# Allegro board SDHCalFEB20180110.brd (continued)
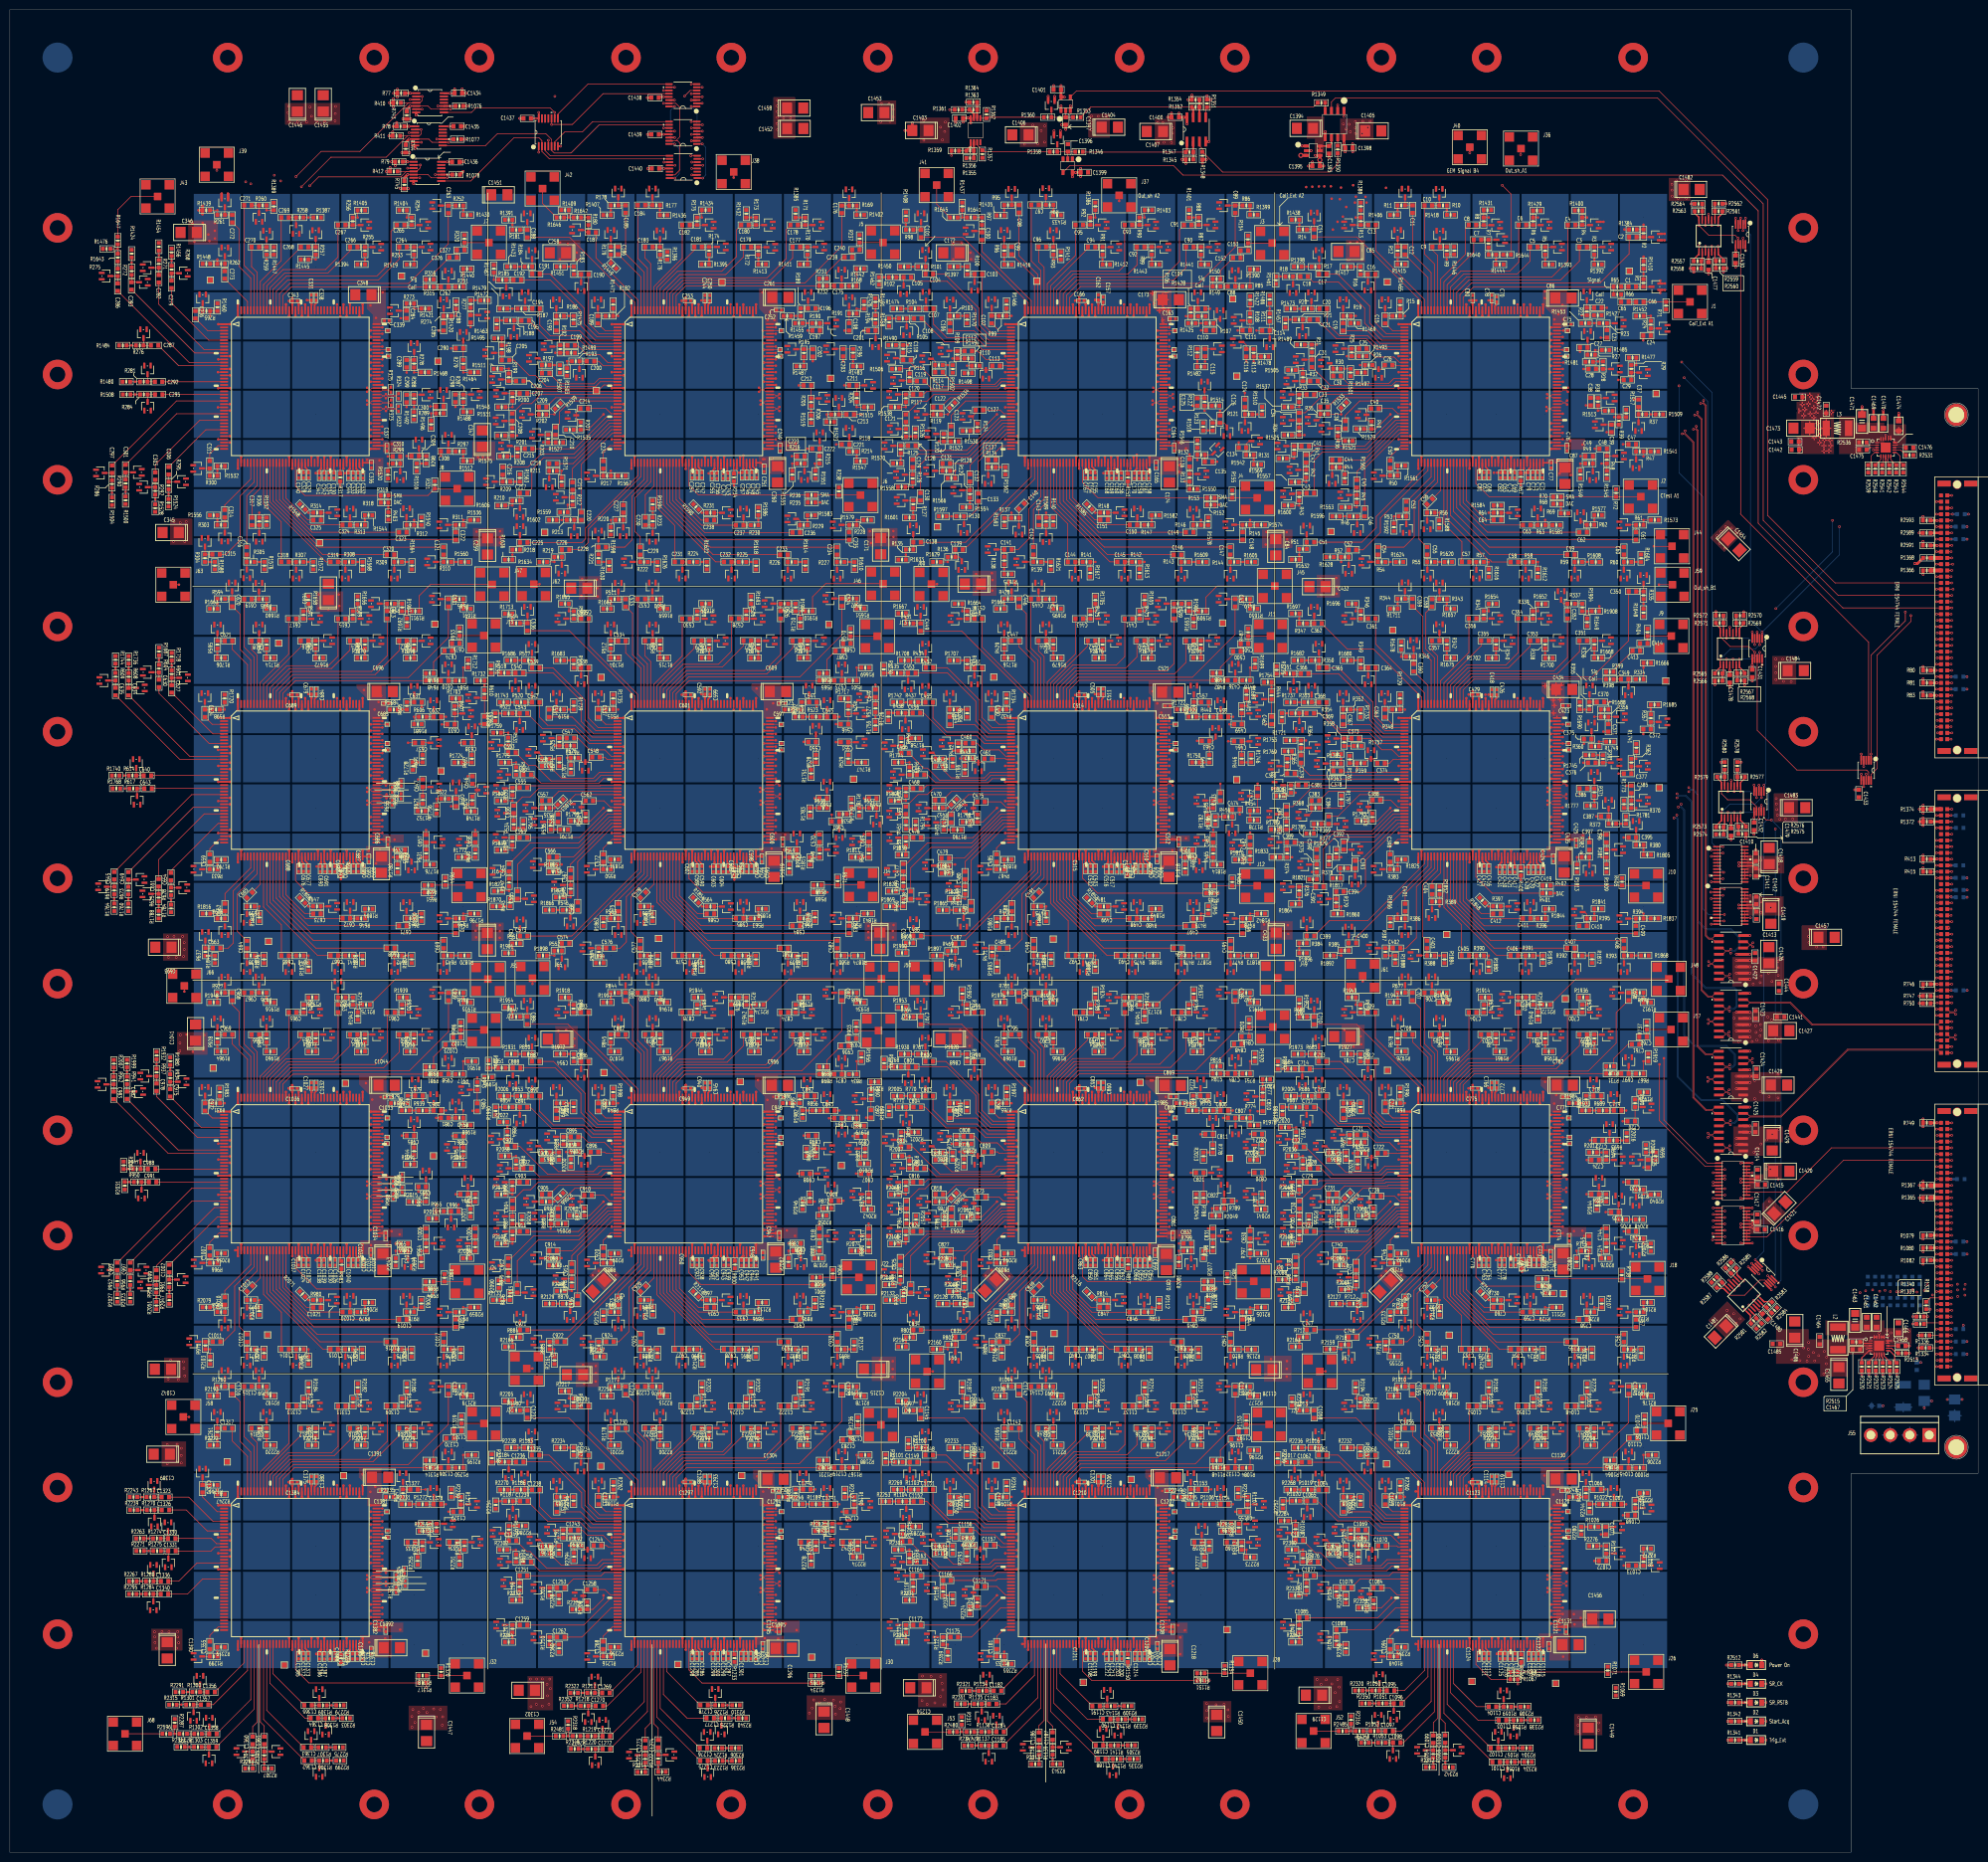
[diagram p0: board, top side]
## Routing (per net, layer and track width the routed paths; a pad name or vN(x,y) marks a point on that pad's centre or on a via; arc(x,y) is an arc through that point) (continued)
  GND1 w0.102: v1(152.66,56.27) 152.36,55.97 151.91,55.97 v2(151.54,56.34) ; v2(311.56,56.34) 311.93,55.97 312.38,55.97 v1(312.68,56.27) ; v1(232.67,56.27) 232.37,55.97 231.92,55.97 v2(231.55,56.34) ; v2(71.53,56.34) 71.9,55.97 72.35,55.97 v1(72.65,56.27)
  SIG2 w0.102: v4(349.61,165.86) 349.91,166.16 350.08,166.16 350.37,165.87 350.37,164.9 350.02,164.55 347.21,164.55 342.23,159.58 342.23,64.02 334.18,55.97 311.94,55.97 v2(311.56,56.34) 311.19,55.97 231.92,55.97 v2(231.55,56.34) 231.18,55.97 151.91,55.97 v2(151.54,56.34) 151.17,55.97 71.9,55.97 v2(71.53,56.34)
CK_5P: length 42.5
  TOP w0.102: J34.B5 392.17,168.04 366.47,168.04 362,172.52 353.75,172.52 353.21,171.98 U1055.6
CK_5P_A: length 408.4
  TOP w0.102: U65.97 313.64,295.57 313.43,295.79 312.9,295.79 v1(312.6,295.49) ; U195.97 155.52,295.57 155.74,295.79 156.18,295.79 v1(156.48,295.49) ; U1055.10 346.76,173.25 346.23,173.78 345.27,173.78 343.89,175.16 343.89,291.18 343.03,292.04 v4(342.61,292.04) ; U130.97 235.53,295.57 235.75,295.79 236.2,295.79 v1(236.49,295.49) ; R324.2 78.65,295.8 76.78,295.8 v1(76.47,295.49) 76.18,295.79 75.73,295.79 75.51,295.57 U260.97
  GND1 w0.102: v2(77.77,295.42) 77.4,295.79 76.77,295.79 v1(76.47,295.49) ; v2(157.91,295.42) 157.54,295.79 156.78,295.79 v1(156.48,295.49) ; v1(312.6,295.49) 312.9,295.79 313.66,295.79 v2(314.04,295.42) ; v2(237.87,295.42) 237.5,295.79 236.79,295.79 v1(236.49,295.49)
  SIG2 w0.102: v2(77.77,295.42) 78.14,295.79 157.54,295.79 v2(157.91,295.42) 158.29,295.79 237.5,295.79 v2(237.87,295.42) 238.24,295.79 242.85,295.79 243.45,295.19 312.15,295.19 312.76,295.8 313.65,295.8 v2(314.04,295.42) 314.41,295.79 339.29,295.79 342.61,292.46 v4(342.61,292.04)
CK_5P_B: length 343.6
  TOP w0.102: U1055.11 348.28,171.98 348.81,171.46 349.38,171.46 v4(349.68,171.76) ; U390.97 233.63,215.56 233.42,215.78 232.97,215.78 v1(232.67,215.48) ; U325.97 313.64,215.56 313.43,215.78 312.98,215.78 v1(312.68,215.48) ; R657.2 77.37,215.78 75.73,215.78 75.51,215.56 U520.97 73.61,215.56 73.4,215.78 72.95,215.78 v1(72.65,215.48) ; U455.97 153.62,215.56 153.41,215.78 152.88,215.78 v1(152.58,215.48)
  GND1 w0.102: v1(312.68,215.48) 312.38,215.78 311.62,215.78 v2(311.25,215.4) ; v2(151.37,215.4) 151.74,215.78 152.29,215.78 v1(152.58,215.48) ; v1(72.65,215.48) 72.35,215.78 71.83,215.78 v2(71.46,215.4) ; v1(232.67,215.48) 232.37,215.78 231.92,215.78 v2(231.55,215.4)
  SIG2 w0.102: v2(71.46,215.4) 71.83,215.78 151,215.78 v2(151.37,215.4) 151.74,215.78 231.18,215.78 v2(231.55,215.4) 231.92,215.78 310.88,215.78 v2(311.25,215.4) 311.64,215.8 320.8,215.8 321.97,214.63 338.66,214.63 v4(339.01,214.27)
  BOTTOM w0.102: v4(339.01,214.27) 339.34,214.6 340.74,214.6 341.88,213.46 341.88,178.46 344.86,175.49 350.67,175.49 350.93,175.23 350.93,171.83 350.55,171.46 349.97,171.46 v4(349.68,171.76)
CK_5P_C: length 315.2
  TOP w0.102: v1(232.67,135.47) 232.97,135.77 233.42,135.77 233.64,135.55 U650.97 ; U715.97 153.62,135.55 153.41,135.77 152.96,135.77 v1(152.66,135.47) ; v1(72.65,135.47) 72.95,135.77 73.4,135.77 73.61,135.55 U780.97 75.51,135.55 75.73,135.77 77.54,135.77 R990.2 ; U585.97 313.65,135.55 313.43,135.77 312.98,135.77 v1(312.68,135.47) ; U1055.14 346.76,168.17 346.23,168.7 345.67,168.7 v4(345.37,168.4)
  GND1 w0.102: v2(311.56,135.4) 311.93,135.77 312.38,135.77 v1(312.68,135.47) ; v1(152.66,135.47) 152.36,135.77 151.91,135.77 v2(151.54,135.4) ; v1(232.67,135.47) 232.37,135.77 231.83,135.77 v2(231.45,135.4) ; v1(72.65,135.47) 72.35,135.77 71.9,135.77 v2(71.53,135.4)
  SIG1 w0.102: v4(345.37,168.4) 345.07,168.7 342,168.7 326.25,152.95 326.25,142.3 319.7,135.75 311.92,135.75 v2(311.56,135.4)
  SIG2 w0.102: v2(71.53,135.4) 71.9,135.77 151.17,135.77 v2(151.54,135.4) 151.91,135.77 231.08,135.77 v2(231.45,135.4) 231.83,135.77 311.19,135.77 v2(311.56,135.4)
CK_5P_D: length 404.5
  TOP w0.102: v1(312.68,55.46) 312.98,55.76 313.43,55.76 313.65,55.54 U845.97 ; v4(349.61,166.68) 349.31,166.38 348.81,166.38 348.28,166.9 U1055.15 ; v1(152.66,55.46) 152.96,55.76 153.41,55.76 153.62,55.54 U975.97 ; v1(72.65,55.46) 72.95,55.76 73.4,55.76 73.61,55.54 U1040.97 75.51,55.54 75.73,55.76 78.18,55.76 R1323.2 ; v1(232.67,55.46) 232.97,55.76 233.42,55.76 233.64,55.54 U910.97
  GND1 w0.102: v1(232.67,55.46) 232.37,55.76 231.92,55.76 v2(231.55,55.38) ; v2(311.56,55.38) 311.93,55.76 312.38,55.76 v1(312.68,55.46) ; v2(151.54,55.38) 151.91,55.76 152.36,55.76 v1(152.66,55.46) ; v1(72.65,55.46) 72.35,55.76 71.9,55.76 v2(71.53,55.38)
  SIG2 w0.102: v4(349.61,166.68) 349.91,166.38 350.17,166.38 350.59,165.96 350.59,164.81 350.11,164.34 347.29,164.34 342.44,159.49 342.44,63.93 334.27,55.75 311.93,55.75 v2(311.56,55.38) 311.19,55.76 231.92,55.76 v2(231.55,55.38) 231.18,55.76 151.91,55.76 v2(151.54,55.38) 151.17,55.76 71.9,55.76 v2(71.53,55.38)
CK_40N: length 51.5
  TOP w0.102: v4(354.43,184.81) 354.11,184.49 353.74,184.49 353.21,185.01 U1057.7 ; J34.A8 394.5,170.8 395.37,170.8 v4(395.67,171.1)
  SIG2 w0.102: v4(354.43,184.81) 354.72,184.52 364.71,184.52 378.43,170.8 395.37,170.8 v4(395.67,171.1)
CK_40N_A: length 404.4
  TOP w0.102: U130.100 233.63,297.52 233.42,297.3 232.82,297.3 v1(232.52,297.6) ; R325.2 77.07,297.31 75.72,297.31 75.51,297.52 U260.100 73.61,297.52 73.4,297.3 72.95,297.3 v1(72.65,297.6) ; U195.100 153.62,297.52 153.41,297.3 152.64,297.3 v1(152.35,297.6) ; U1057.9 346.79,186.28 346.26,185.76 345.54,185.76 345,186.3 345,293.99 344.41,294.58 v4(344.41,295) ; U65.100 315.54,297.52 315.76,297.3 316.52,297.3 v1(316.82,297.6)
  GND1 w0.102: v2(153.78,297.67) 153.41,297.3 152.64,297.3 v1(152.35,297.6) ; v1(72.65,297.6) 72.95,297.3 73.59,297.3 v2(73.96,297.68) ; v1(232.52,297.6) 232.82,297.3 233.58,297.3 v2(233.95,297.67) ; v2(315.39,297.67) 315.76,297.3 316.52,297.3 v1(316.82,297.6)
  SIG2 w0.102: v4(344.41,295) 343.98,295 341.68,297.31 315.75,297.31 v2(315.39,297.67) 315.01,297.29 313.04,297.29 312.06,296.32 244.83,296.32 243.84,297.3 234.32,297.3 v2(233.95,297.67) 233.58,297.3 154.29,297.3 154.15,297.3 v2(153.78,297.67) 153.41,297.3 74.33,297.3 v2(73.96,297.68)
CK_40N_B: length 329.1
  TOP w0.102: v1(236.47,217.59) 236.17,217.29 235.49,217.29 235.27,217.51 U390.100 ; v1(156.48,217.59) 156.19,217.29 155.74,217.29 155.52,217.51 U455.100 ; v4(349.92,182.7) 349.63,183 348.81,183 348.28,182.47 U1057.12 ; R658.2 79.19,217.29 76.77,217.29 v1(76.47,217.59) 76.18,217.29 75.73,217.29 75.51,217.51 U520.100 ; v1(316.6,217.59) 316.31,217.29 315.76,217.29 315.54,217.51 U325.100
  GND1 w0.102: v2(77.79,217.66) 77.42,217.29 76.77,217.29 v1(76.47,217.59) ; v1(156.48,217.59) 156.79,217.28 157.54,217.28 v2(157.92,217.66) ; v1(316.6,217.59) 316.9,217.29 317.58,217.29 v2(317.95,217.66) ; v2(237.9,217.66) 237.53,217.29 236.77,217.29 v1(236.47,217.59)
  SIG2 w0.102: v4(341.4,216.33) 341.11,216.04 322.34,216.04 321.08,217.3 318.31,217.3 v2(317.95,217.66) 317.58,217.29 238.27,217.29 v2(237.9,217.66) 237.53,217.29 158.29,217.29 v2(157.92,217.66) 157.54,217.29 78.16,217.29 v2(77.79,217.66)
  BOTTOM w0.102: v4(349.92,182.7) 350.22,183 350.79,183 351.74,183.95 351.74,185.95 350.05,187.64 344.94,187.64 343.32,189.27 343.32,215.05 342.33,216.04 341.69,216.04 v4(341.4,216.33)
CK_40N_C: length 318.4
  TOP w0.102: R991.2 79.35,137.28 76.87,137.28 v1(76.57,137.58) 76.28,137.28 75.73,137.28 75.51,137.5 U780.100 ; v4(345.43,180.98) 345.73,180.68 346.23,180.68 346.76,181.2 U1057.13 ; v1(316.6,137.58) 316.31,137.28 315.76,137.28 315.54,137.5 U585.100 ; v1(156.49,137.58) 156.19,137.28 155.74,137.28 155.52,137.5 U715.100 ; U650.100 235.53,137.5 235.75,137.28 236.25,137.28 v1(236.54,137.58)
  GND1 w0.102: v2(237.76,137.65) 237.39,137.28 236.84,137.28 v1(236.54,137.58) ; v1(156.49,137.58) 156.78,137.28 157.28,137.28 v2(157.65,137.65) ; v2(317.72,137.65) 317.35,137.28 316.9,137.28 v1(316.6,137.58) ; v2(77.77,137.65) 77.39,137.28 76.87,137.28 v1(76.57,137.58)
  SIG1 w0.102: v2(317.72,137.65) 318.1,137.28 319.12,137.28 323.6,141.76 323.6,160.68 343.59,180.68 345.13,180.68 v4(345.43,180.98)
  SIG2 w0.102: v2(317.72,137.65) 317.35,137.28 238.13,137.28 v2(237.76,137.65) 237.39,137.28 158.02,137.28 v2(157.65,137.65) 157.28,137.28 78.14,137.28 v2(77.77,137.65)
CK_40N_D: length 409.8
  TOP w0.102: U910.100 235.53,57.49 235.75,57.27 236.2,57.27 v1(236.5,57.57) ; U845.100 315.54,57.49 315.76,57.27 316.31,57.27 v1(316.6,57.57) ; v4(349.75,177.62) 349.45,177.92 348.81,177.92 348.28,177.39 U1057.16 ; R1324.2 79.88,57.27 76.77,57.27 v1(76.48,57.57) 76.18,57.27 75.73,57.27 75.51,57.49 U1040.100 ; v1(156.49,57.57) 156.19,57.27 155.74,57.27 155.52,57.49 U975.100
  GND1 w0.102: v2(317.72,57.64) 317.35,57.27 316.9,57.27 v1(316.6,57.57) ; v1(76.48,57.57) 76.77,57.27 77.22,57.27 v2(77.59,57.64) ; v1(156.49,57.57) 156.78,57.27 157.23,57.27 v2(157.6,57.64) ; v1(236.5,57.57) 236.8,57.27 237.24,57.27 v2(237.62,57.64)
  SIG2 w0.102: v4(349.75,177.62) 350.05,177.92 350.5,177.92 350.74,177.68 350.74,176.32 350.47,176.05 344.86,176.05 341.41,172.61 341.41,65.24 333.45,57.27 318.1,57.27 v2(317.72,57.64) 317.35,57.27 237.99,57.27 v2(237.62,57.64) 237.24,57.27 157.98,57.27 v2(157.6,57.64) 157.23,57.27 77.97,57.27 v2(77.59,57.64)
CK_40P: length 51.5
  TOP w0.102: v4(354.43,184) 354.16,184.27 353.74,184.27 353.21,183.74 U1057.6 ; v4(395.67,170.28) 395.37,170.58 394.5,170.58 J34.A7
  SIG2 w0.102: v4(354.43,184) 354.74,184.3 364.62,184.3 378.34,170.58 395.37,170.58 v4(395.67,170.28)
CK_40P_A: length 404.4
  TOP w0.102: v1(232.52,296.79) 232.82,297.09 233.42,297.09 233.63,296.87 U130.99 ; R325.1 77.07,297.1 75.74,297.1 75.51,296.87 U260.99 73.61,296.87 73.4,297.09 72.95,297.09 v1(72.65,296.79) ; v1(316.82,296.79) 316.52,297.09 315.76,297.09 315.54,296.87 U65.99 ; v1(152.35,296.79) 152.64,297.09 153.41,297.09 153.62,296.87 U195.99 ; U1057.10 346.79,185.01 346.26,185.54 345.45,185.54 344.78,186.21 344.78,293.9 344.25,294.43 v4(343.83,294.43)
  GND1 w0.102: v1(152.35,296.79) 152.64,297.09 153.41,297.09 v2(153.78,296.72) ; v2(233.95,296.72) 233.58,297.09 232.82,297.09 v1(232.52,296.79) ; v2(73.96,296.72) 73.59,297.09 72.95,297.09 v1(72.65,296.79) ; v1(316.82,296.79) 316.52,297.09 315.76,297.09 v2(315.39,296.72)
  SIG2 w0.102: v2(73.96,296.72) 74.33,297.09 153.4,297.09 v2(153.78,296.72) 154.15,297.09 154.38,297.09 154.38,297.09 233.58,297.09 v2(233.95,296.72) 234.32,297.09 243.75,297.09 244.74,296.1 312.15,296.1 313.13,297.08 315.02,297.08 v2(315.39,296.72) 315.76,297.09 341.59,297.09 343.83,294.85 v4(343.83,294.43)
CK_40P_B: length 328.3
  TOP w0.102: U520.99 75.51,216.86 75.73,217.08 76.18,217.08 v1(76.47,216.78) 76.77,217.08 79.21,217.08 R658.1 ; v4(349.92,183.52) 349.63,183.22 348.81,183.22 348.28,183.74 U1057.11 ; v1(236.47,216.78) 236.17,217.08 235.47,217.08 235.25,216.86 U390.99 ; v1(316.6,216.78) 316.31,217.08 315.76,217.08 315.54,216.86 U325.99 ; v1(156.48,216.78) 156.19,217.08 155.74,217.08 155.52,216.86 U455.99
  GND1 w0.102: v1(236.47,216.78) 236.77,217.08 237.53,217.08 v2(237.9,216.7) ; v1(76.47,216.78) 76.77,217.08 77.42,217.08 v2(77.79,216.7) ; v2(317.95,216.7) 317.58,217.08 316.9,217.08 v1(316.6,216.78) ; v2(157.92,216.7) 157.55,217.07 156.78,217.07 v1(156.48,216.78)
  SIG2 w0.102: v4(341.4,215.52) 341.1,215.82 322.25,215.82 320.99,217.08 318.32,217.08 v2(317.95,216.7) 317.58,217.08 238.27,217.08 v2(237.9,216.7) 237.53,217.08 158.29,217.08 v2(157.92,216.7) 157.54,217.08 78.16,217.08 v2(77.79,216.7)
  BOTTOM w0.102: v4(341.4,215.52) 341.71,215.82 342.24,215.82 343.1,214.96 343.1,189.18 344.85,187.43 349.96,187.43 351.52,185.86 351.52,184.04 350.7,183.22 350.22,183.22 v4(349.92,183.52)
CK_40P_C: length 318.4
  TOP w0.102: v1(156.49,136.77) 156.19,137.07 155.74,137.07 155.52,136.85 U715.99 ; U780.99 75.51,136.85 75.73,137.07 76.28,137.07 v1(76.57,136.77) 76.87,137.07 79.37,137.07 R991.1 ; U585.99 315.54,136.85 315.76,137.07 316.31,137.07 v1(316.6,136.77) ; v1(236.54,136.77) 236.25,137.07 235.75,137.07 235.53,136.85 U650.99 ; U1057.14 346.76,179.93 346.23,180.46 345.73,180.46 v4(345.43,180.16)
  GND1 w0.102: v1(316.6,136.77) 316.9,137.07 317.35,137.07 v2(317.72,136.7) ; v2(157.65,136.7) 157.28,137.07 156.78,137.07 v1(156.49,136.77) ; v2(77.77,136.7) 77.39,137.07 76.87,137.07 v1(76.57,136.77) ; v2(237.76,136.7) 237.39,137.07 236.84,137.07 v1(236.54,136.77)
  SIG1 w0.102: v4(345.43,180.16) 345.13,180.46 343.68,180.46 323.81,160.59 323.81,141.67 319.21,137.07 318.1,137.07 v2(317.72,136.7)
  SIG2 w0.102: v2(317.72,136.7) 317.35,137.07 238.13,137.07 v2(237.76,136.7) 237.39,137.07 158.02,137.07 v2(157.65,136.7) 157.28,137.07 78.14,137.07 v2(77.77,136.7)
CK_40P_D: length 410.6
  TOP w0.102: v1(156.49,56.76) 156.19,57.06 155.74,57.06 155.52,56.84 U975.99 ; v1(316.6,56.76) 316.31,57.06 315.76,57.06 315.54,56.84 U845.99 ; v4(349.75,178.44) 349.45,178.14 348.81,178.14 348.28,178.66 U1057.15 ; U1040.99 75.51,56.84 75.73,57.06 76.18,57.06 v1(76.48,56.76) 76.77,57.06 79.85,57.06 R1324.1 ; v1(236.5,56.76) 236.2,57.06 235.75,57.06 235.53,56.84 U910.99
  GND1 w0.102: v1(236.5,56.76) 236.8,57.06 237.24,57.06 v2(237.62,56.68) ; v2(317.72,56.68) 317.35,57.06 316.9,57.06 v1(316.6,56.76) ; v2(77.59,56.68) 77.22,57.06 76.77,57.06 v1(76.48,56.76) ; v1(156.49,56.76) 156.78,57.06 157.23,57.06 v2(157.6,56.68)
  SIG2 w0.102: v2(77.59,56.68) 77.97,57.06 157.23,57.06 v2(157.6,56.68) 157.98,57.06 237.24,57.06 v2(237.62,56.68) 237.99,57.06 317.35,57.06 v2(317.72,56.68) 318.1,57.06 333.54,57.06 341.63,65.15 341.63,172.52 344.95,175.83 350.56,175.83 350.95,176.23 350.95,177.77 350.59,178.14 350.05,178.14 v4(349.75,178.44)
COLUMNSELECT0: length 528
  TOP w0.127: v4(132.92,355.41) U1071.15 135.42,355.41 136.19,354.63 136.19,348.56 135.42,347.79 ; 135.42,347.79 134.06,347.79 U1067.15 ; 135.42,347.79 135.77,347.79 136.27,347.29 136.27,341.88 135.24,340.86 U1061.15 ; v4(356.32,247.93) U1062.1 ; v4(354.92,120.36) U1069.1 ; J35.A35 v4(394.75,269.37) ; v4(352.94,332.08) U1058.1 ; v4(356.68,216.84) U1065.1
  SIG1 w0.127: v4(372.04,269.37) 372.59,269.93 394.2,269.93 v4(394.75,269.37) ; v4(132.92,355.41) 135.78,355.41 137.26,353.92 144.07,353.92 148.26,358.11 317.25,358.11 330.66,344.7 340.94,344.7 352.94,332.71 v4(352.94,332.08)
  BOTTOM w0.127: v4(356.32,247.93) 353.95,250.3 353.95,328.7 352.6,330.05 352.6,331.74 v4(352.94,332.08) ; v4(356.32,247.93) 372.04,263.64 v4(372.04,269.37) ; v4(356.32,247.93) 357.02,247.23 357.02,217.19 v4(356.68,216.84) 357.68,215.83 357.68,210.16 356.68,209.16 356.68,122.12 v4(354.92,120.36)
  BOTTOM w0.508: R2594.1 394.75,269.37 v4(394.75,269.37)
COLUMNSELECT1: length 513.7
  TOP w0.127: v4(135.18,347.14) U1067.16 ; v4(359.61,115.68) U1069.10 ; J35.B36 v4(391.92,270.64) ; v4(135.15,354.76) U1071.16 ; v4(358.22,209.77) 357.16,209.77 356.68,210.25 U1065.10 ; U1062.10 v4(356.32,241.3) ; v4(135.25,340.21) U1061.16 ; v4(352.94,325.45) U1058.10
  TOP w0.508: v4(391.92,270.64) 391.92,270.64 R2593.1
  SIG1 w0.127: v4(135.15,354.76) 135.15,354.74 136.7,353.19 145.67,353.19 149.38,356.9 209.68,356.9 210.85,355.73 236.4,355.73 238.74,353.39 316.53,353.39 338.4,331.52 351.18,331.52 352.94,329.76 v4(352.94,325.45) 359.49,318.91 359.49,277.93 366.77,270.64 v4(370.64,270.64) v4(391.92,270.64)
  SIG3 w0.127: v4(359.11,252.73) 359.11,244.08 v4(356.32,241.3) 357.73,239.89 357.73,213.44 356.68,212.38 356.68,210.21 357.12,209.77 v4(358.22,209.77)
  BOTTOM w0.127: v4(359.61,115.68) 359.62,115.68 360.17,116.23 360.17,207.81 v4(358.22,209.77) ; v4(135.25,340.21) 136.12,341.07 136.12,346.2 135.18,347.14 v4(135.18,347.14) 134.34,347.98 134.34,353.95 v4(135.15,354.76) ; v4(359.11,252.73) 370.64,264.26 v4(370.64,270.64)
COLUMNSELECT2: length 345.9
  TOP w0.127: v4(140.89,340.21) U1061.1 ; v4(140.82,347.14) U1067.1 ; J35.A37 v4(395.02,271.91) ; v4(138.56,354.76) U1071.1
  SIG1 w0.127: v4(138.56,354.76) 141.96,354.76 147.75,360.55 318.39,360.55 330.17,348.77 338.66,348.77 360.43,327 360.43,277.72 365.61,272.54 394.39,272.54 v4(395.02,271.91)
  BOTTOM w0.127: v4(138.56,354.76) 138.58,354.76 139.75,353.59 139.75,348.21 v4(140.82,347.14) 141.53,346.43 141.53,340.84 v4(140.89,340.21)
  BOTTOM w0.508: R2592.1 395.02,271.91 v4(395.02,271.91)
CTEST_ASIC_A1: length 22.5
  TOP w0.127: U65.59 298.12,278.13 300.82,275.43 R70.2 R68.2
CTEST_ASIC_A2: length 32
  TOP w0.127: R152.2 R153.2 221.26,275.23 218.11,278.39 U130.59
CTEST_ASIC_A3: length 31.1
  TOP w0.127: U195.59 138.1,277.73 140.03,275.79 R236.2 R235.2
CTEST_ASIC_A4: length 24.4
  TOP w0.127: R318.2 R319.2 59.97,275.71 58.09,277.6 U260.59
CTEST_ASIC_B1: length 20.7
  TOP w0.127: R402.2 R401.2 301.41,194.89 298.12,198.17 U325.59
CTEST_ASIC_B5: length 32.3
  TOP w0.127: U390.59 218.11,197.94 221.17,194.89 R485.2 R486.2
CTEST_ASIC_B6: length 32.5
  TOP w0.127: R569.2 R568.2 140.9,195.06 138.1,197.87 U455.59
CTEST_ASIC_B7: length 33.6
  TOP w0.127: R652.2 R651.2 60.49,195.01 58.09,197.41 U520.59
CTEST_ASIC_C1: length 18.9
  TOP w0.127: R734.2 299.98,115.03 298.12,116.89 U585.59
CTEST_ASIC_C2: length 32
  TOP w0.127: U650.59 218.11,116.97 219.08,115.99 R819.2 R818.2
CTEST_ASIC_C3: length 32.2
  TOP w0.127: U715.59 138.1,117.73 140.52,115.31 R901.2 R902.2
CTEST_ASIC_C4: length 33.4
  TOP w0.127: U780.59 58.09,118.75 62.39,114.44 R984.2 R985.2
CTEST_ASIC_D1: length 13.9
  TOP w0.127: U845.59 298.12,38.18 301.18,35.12 R1067.2 R1068.2
CTEST_ASIC_D2: length 31.1
  TOP w0.127: U910.59 218.11,36.78 220.02,34.87 R1151.2 R1152.2
CTEST_ASIC_D3: length 32.8
  TOP w0.127: U975.59 138.1,37.03 140.78,34.36 R1234.2 R1235.2
CTEST_ASIC_D4: length 32.9
  TOP w0.127: R1318.2 R1317.2 60.82,34.38 58.09,37.11 U1040.59
CTEST_SMA_ASIC_A1: length 16.3
  TOP w0.127: J2.1 326.63,275.46 R72.2 315.42,275.45 R70.1
CTEST_SMA_ASIC_A2: length 8.7
  TOP w0.127: J4.1 252.7,275.22 252.68,275.23 R155.2 247.97,275.23 247.97,275.23 R153.1
CTEST_SMA_ASIC_A3: length 9.2
  TOP w0.127: J6.1 R238.2 168.58,275.79 R236.1
CTEST_SMA_ASIC_A4: length 14.6
  TOP w0.127: J8.1 R321.2 86.39,277.09 85.01,275.71 R319.1
CTEST_SMA_ASIC_B1: length 19.5
  TOP w0.127: R402.1 327.24,196.43 327.25,196.44 R405.2 J10.1
CTEST_SMA_ASIC_B5: length 8.9
  TOP w0.127: J12.1 R488.2 247.98,196.39 247.97,196.38 R486.1
CTEST_SMA_ASIC_B6: length 8.1
  TOP w0.127: J14.1 R571.2 165.01,196.57 R569.1
CTEST_SMA_ASIC_B7: length 7.6
  TOP w0.127: R652.1 85.84,196.52 R654.2 J16.1
CTEST_SMA_ASIC_C1: length 20.6
  TOP w0.127: R736.1 312.39,116.51 R738.2 J18.1
CTEST_SMA_ASIC_C2: length 8.5
  TOP w0.127: R819.1 246.93,115.99 246.93,116 R821.2 J20.1
CTEST_SMA_ASIC_C3: length 7.9
  TOP w0.127: R902.1 165.32,116.81 165.32,116.81 R904.2 J22.1
CTEST_SMA_ASIC_C4: length 6.9
  TOP w0.127: J24.1 R987.2 87.78,115.95 87.77,115.94 R985.1
CTEST_SMA_ASIC_D1: length 26.1
  TOP w0.127: J26.1 327.77,36.63 327.76,36.62 R1068.1
CTEST_SMA_ASIC_D2: length 9.3
  TOP w0.127: J28.1 R1154.2 247.01,36.36 R1152.1
CTEST_SMA_ASIC_D3: length 9.1
  TOP w0.127: J30.1 R1237.2 168.58,35.88 R1235.1
CTEST_SMA_ASIC_D4: length 8.2
  TOP w0.127: J32.1 R1320.2 85.29,35.89 85.28,35.88 R1318.1
DAC_O1: length 25
  TOP w0.127: U1045.5 243.17,354.36 R1351.2 265.05,354.63 R1349.2
DAC_O2: length 34.4
  TOP w0.127: R1350.1 270.02,343.1 268.35,341.43 246.62,341.43 R1348.2 242.52,346.15 241.9,346.77 U1045.3
DOUT1B_A: length 366.6
  TOP w0.127: J35.B8 v4(391.85,235.08) ; v1(233.4,300.12) U130.104 ; U195.104 154.57,300.12 v1(153.39,300.12) ; U65.104 v1(315.77,300.12) ; U260.104 v1(73.38,300.12)
  TOP w0.508: v4(391.85,235.08) 391.85,235.08 R83.2
  GND1 w0.127: v1(315.77,300.12) v2(316.51,300.12) ; v1(153.39,300.12) v2(152.65,300.12) ; v2(232.66,300.12) v1(233.4,300.12) ; v1(73.38,300.12) v2(72.64,300.12)
  SIG1 w0.127: v4(391.85,235.08) 372.79,235.08 341.48,266.4 341.48,277.97 319.33,300.12 v2(316.51,300.12)
  SIG2 w0.127: v2(72.64,300.12) 75.21,300.12 76.48,298.86 146,298.86 147.26,300.12 v2(152.65,300.12) 157.36,300.12 157.99,299.49 178.94,299.49 179.68,298.75 207.57,298.75 208.25,299.44 231.98,299.44 v2(232.66,300.12) 235.31,300.12 236.4,299.03 259.51,299.03 260.45,298.09 311.73,298.09 313.76,300.12 v2(316.51,300.12)
DOUT1B_B: length 344.5
  TOP w0.127: U325.104 v1(315.77,220.11) ; J34.A26 v4(394.75,194.19) ; U520.104 v1(73.38,220.11) ; U390.104 v1(233.4,220.11) ; U455.104 v1(153.39,220.11)
  GND1 w0.127: v1(73.38,220.11) v2(74.12,220.11) ; v1(153.39,220.11) v2(154.13,220.11) ; v1(233.4,220.11) v2(232.66,220.11) ; v1(315.77,220.11) v2(316.51,220.11)
  SIG1 w0.127: v4(394.75,194.19) 394.09,194.84 380.95,194.84 361.01,214.78 354.05,214.78 350.32,218.52 321.41,218.52 319.82,220.11 v2(316.51,220.11)
  SIG2 w0.127: v2(316.51,220.11) 314.7,220.11 312.88,218.29 270.74,218.29 269.88,219.15 239.85,219.15 238.89,220.11 v2(232.66,220.11) 231.38,218.82 159.05,218.82 157.77,220.11 v2(154.13,220.11) 152.75,220.11 151.46,218.82 96.62,218.82 96.06,219.38 79.22,219.38 78.49,220.11 v2(74.12,220.11)
  BOTTOM w0.508: R416.2 394.88,194.06 v4(394.75,194.19)
DOUT1B_C: length 339.8
  TOP w0.127: U780.104 v1(73.38,140.1) ; J33.B40 v4(391.92,148.21) ; U650.104 v1(233.4,140.1) ; U715.104 v1(153.39,140.1) ; v1(315.78,140.1) U585.104
  TOP w0.508: R749.2 391.91,148.22 v4(391.92,148.21)
  GND1 w0.127: v1(153.39,140.1) v2(154.13,140.1) ; v1(315.78,140.1) v2(316.51,140.1) ; v1(233.4,140.1) v2(234.14,140.1) ; v1(73.38,140.1) v2(72.65,140.1)
  SIG1 w0.127: v2(328.65,135.48) 342.67,135.48 346.48,139.29 363.63,139.29 372.54,148.21 v4(391.92,148.21)
  SIG2 w0.127: v2(72.65,140.1) 78.21,140.1 79.48,138.84 151.41,138.84 152.67,140.1 v2(154.13,140.1) 158.4,140.1 159.26,139.24 190.52,139.24 190.98,138.79 206.83,138.79 207.21,139.17 231.85,139.17 232.78,140.1 v2(234.14,140.1) 238.82,140.1 239.42,139.5 256.74,139.5 257.89,138.35 312.78,138.35 314.52,140.1 v2(316.51,140.1) 321.13,135.48 v2(328.65,135.48)
DOUT1B_D: length 363.3
  TOP w0.127: U845.104 v1(315.78,60.09) ; J33.B18 v4(391.92,120.27) ; U1040.104 v1(73.38,60.09) ; U975.104 v1(153.39,60.09) ; U910.104 v1(233.4,60.09)
  TOP w0.508: v4(391.92,120.27) 391.91,120.28 R1082.2
  GND1 w0.127: v1(153.39,60.09) v2(154.13,60.09) ; v1(233.4,60.09) v2(234.14,60.09) ; v1(73.38,60.09) v2(72.65,60.09) ; v1(315.78,60.09) v2(316.51,60.09)
  SIG1 w0.127: v2(316.51,60.09) 328.95,60.09 355.27,86.41 355.27,96.42 379.12,120.27 v4(391.92,120.27)
  SIG2 w0.127: v2(72.65,60.09) 77.86,60.09 79.35,58.6 152.09,58.6 153.58,60.09 v2(154.13,60.09) 158.48,60.09 159.79,58.78 232.83,58.78 v2(234.14,60.09) 238.28,60.09 239.57,58.8 313.28,58.8 314.57,60.09 v2(316.51,60.09)
DOUT1B_E: length 1.7
  TOP w0.127: J33.A3 v4(394.75,101.22)
  BOTTOM w0.127: R1333.1 395.7,101.22 v4(394.75,101.22)
DOUT2B_A: length 359
  TOP w0.127: J35.A9 v4(394.75,236.35) ; U260.105 v1(75.74,300.77) ; U65.105 v1(313.24,300.77) ; v1(235.76,300.77) U130.105 ; U195.105 154.57,300.77 v1(155.75,300.77)
  GND1 w0.127: v2(156.49,300.77) v1(155.75,300.77) ; v1(75.74,300.77) v2(76.48,300.77) ; v2(236.5,300.77) v1(235.76,300.77) ; v1(313.24,300.77) v2(313.98,300.77)
  SIG1 w0.127: v4(394.75,236.35) 394.17,236.93 383.97,236.93 341.91,278.99 341.91,280.11 321.25,300.77 v2(313.98,300.77)
  SIG2 w0.127: v2(76.48,300.77) 77.78,299.47 144.98,299.47 146.29,300.77 v2(156.49,300.77) 157.85,300.77 158.5,300.13 179.48,300.13 180.19,299.42 206.71,299.42 207.39,300.1 231.67,300.1 232.34,300.77 v2(236.5,300.77) 237.65,299.62 260.32,299.62 261.16,298.78 311.25,298.78 v1(313.24,300.77) v2(313.98,300.77)
  BOTTOM w0.508: v4(394.75,236.35) 394.75,236.35 R84.2
DOUT2B_B: length 342
  TOP w0.127: U520.105 v1(75.74,220.76) ; U455.105 v1(155.75,220.76) ; J34.A27 v4(394.75,195.46) ; v1(235.76,220.76) U390.105 ; U325.105 v1(313.41,220.76)
  GND1 w0.127: v1(75.74,220.76) v2(76.48,220.76) ; v1(155.75,220.76) v2(156.49,220.76) ; v1(313.41,220.76) v2(314.15,220.76) ; v1(235.76,220.76) v2(236.5,220.76)
  SIG1 w0.127: v4(394.75,195.46) 394.14,196.06 381.41,196.06 361.72,215.75 354.23,215.75 350.06,219.91 321.28,219.91 320.44,220.76 v2(314.15,220.76)
  SIG2 w0.127: v2(314.15,220.76) 312.21,218.82 271.53,218.82 270.64,219.71 240.28,219.71 239.23,220.76 v2(236.5,220.76) 232.37,220.76 231.06,219.46 159.64,219.46 158.34,220.76 v2(156.49,220.76) 152.46,220.76 151.18,219.48 97.1,219.48 96.55,220.04 79.45,220.04 78.73,220.76 v2(76.48,220.76)
  BOTTOM w0.508: v4(394.75,195.46) 394.83,195.53 R417.2
DOUT2B_C: length 345.2
  TOP w0.127: U715.105 v1(155.75,140.75) ; J34.B9 v4(391.92,172.6) 390.67,172.6 R750.2 ; U585.105 v1(313.41,140.75) ; U650.105 v1(235.76,140.75) ; U780.105 v1(75.74,140.75)
  GND1 w0.127: v1(235.76,140.75) v2(236.5,140.75) ; v1(75.74,140.75) v2(76.48,140.75) ; v1(313.41,140.75) v2(314.15,140.75) ; v1(155.75,140.75) v2(156.49,140.75)
  SIG1 w0.127: v2(330.68,137.01) 343.15,137.01 346.15,140 351.13,140 382.93,171.81 391.13,171.81 v4(391.92,172.6)
  SIG2 w0.127: v2(76.48,140.75) 78.38,140.75 79.65,139.47 126.59,139.47 127.2,140.08 151.87,140.08 152.54,140.75 v2(156.49,140.75) 159,140.75 159.72,140.03 190.83,140.03 191.44,139.42 206.27,139.42 206.68,139.83 231.8,139.83 232.72,140.75 v2(236.5,140.75) 239.62,140.75 240.26,140.11 257.15,140.11 258.34,138.91 312.31,138.91 v2(314.15,140.75) 317.16,140.75 320.9,137.01 v2(330.68,137.01)
